# KiCad board AICORS_PCB.kicad_pcb (continued)
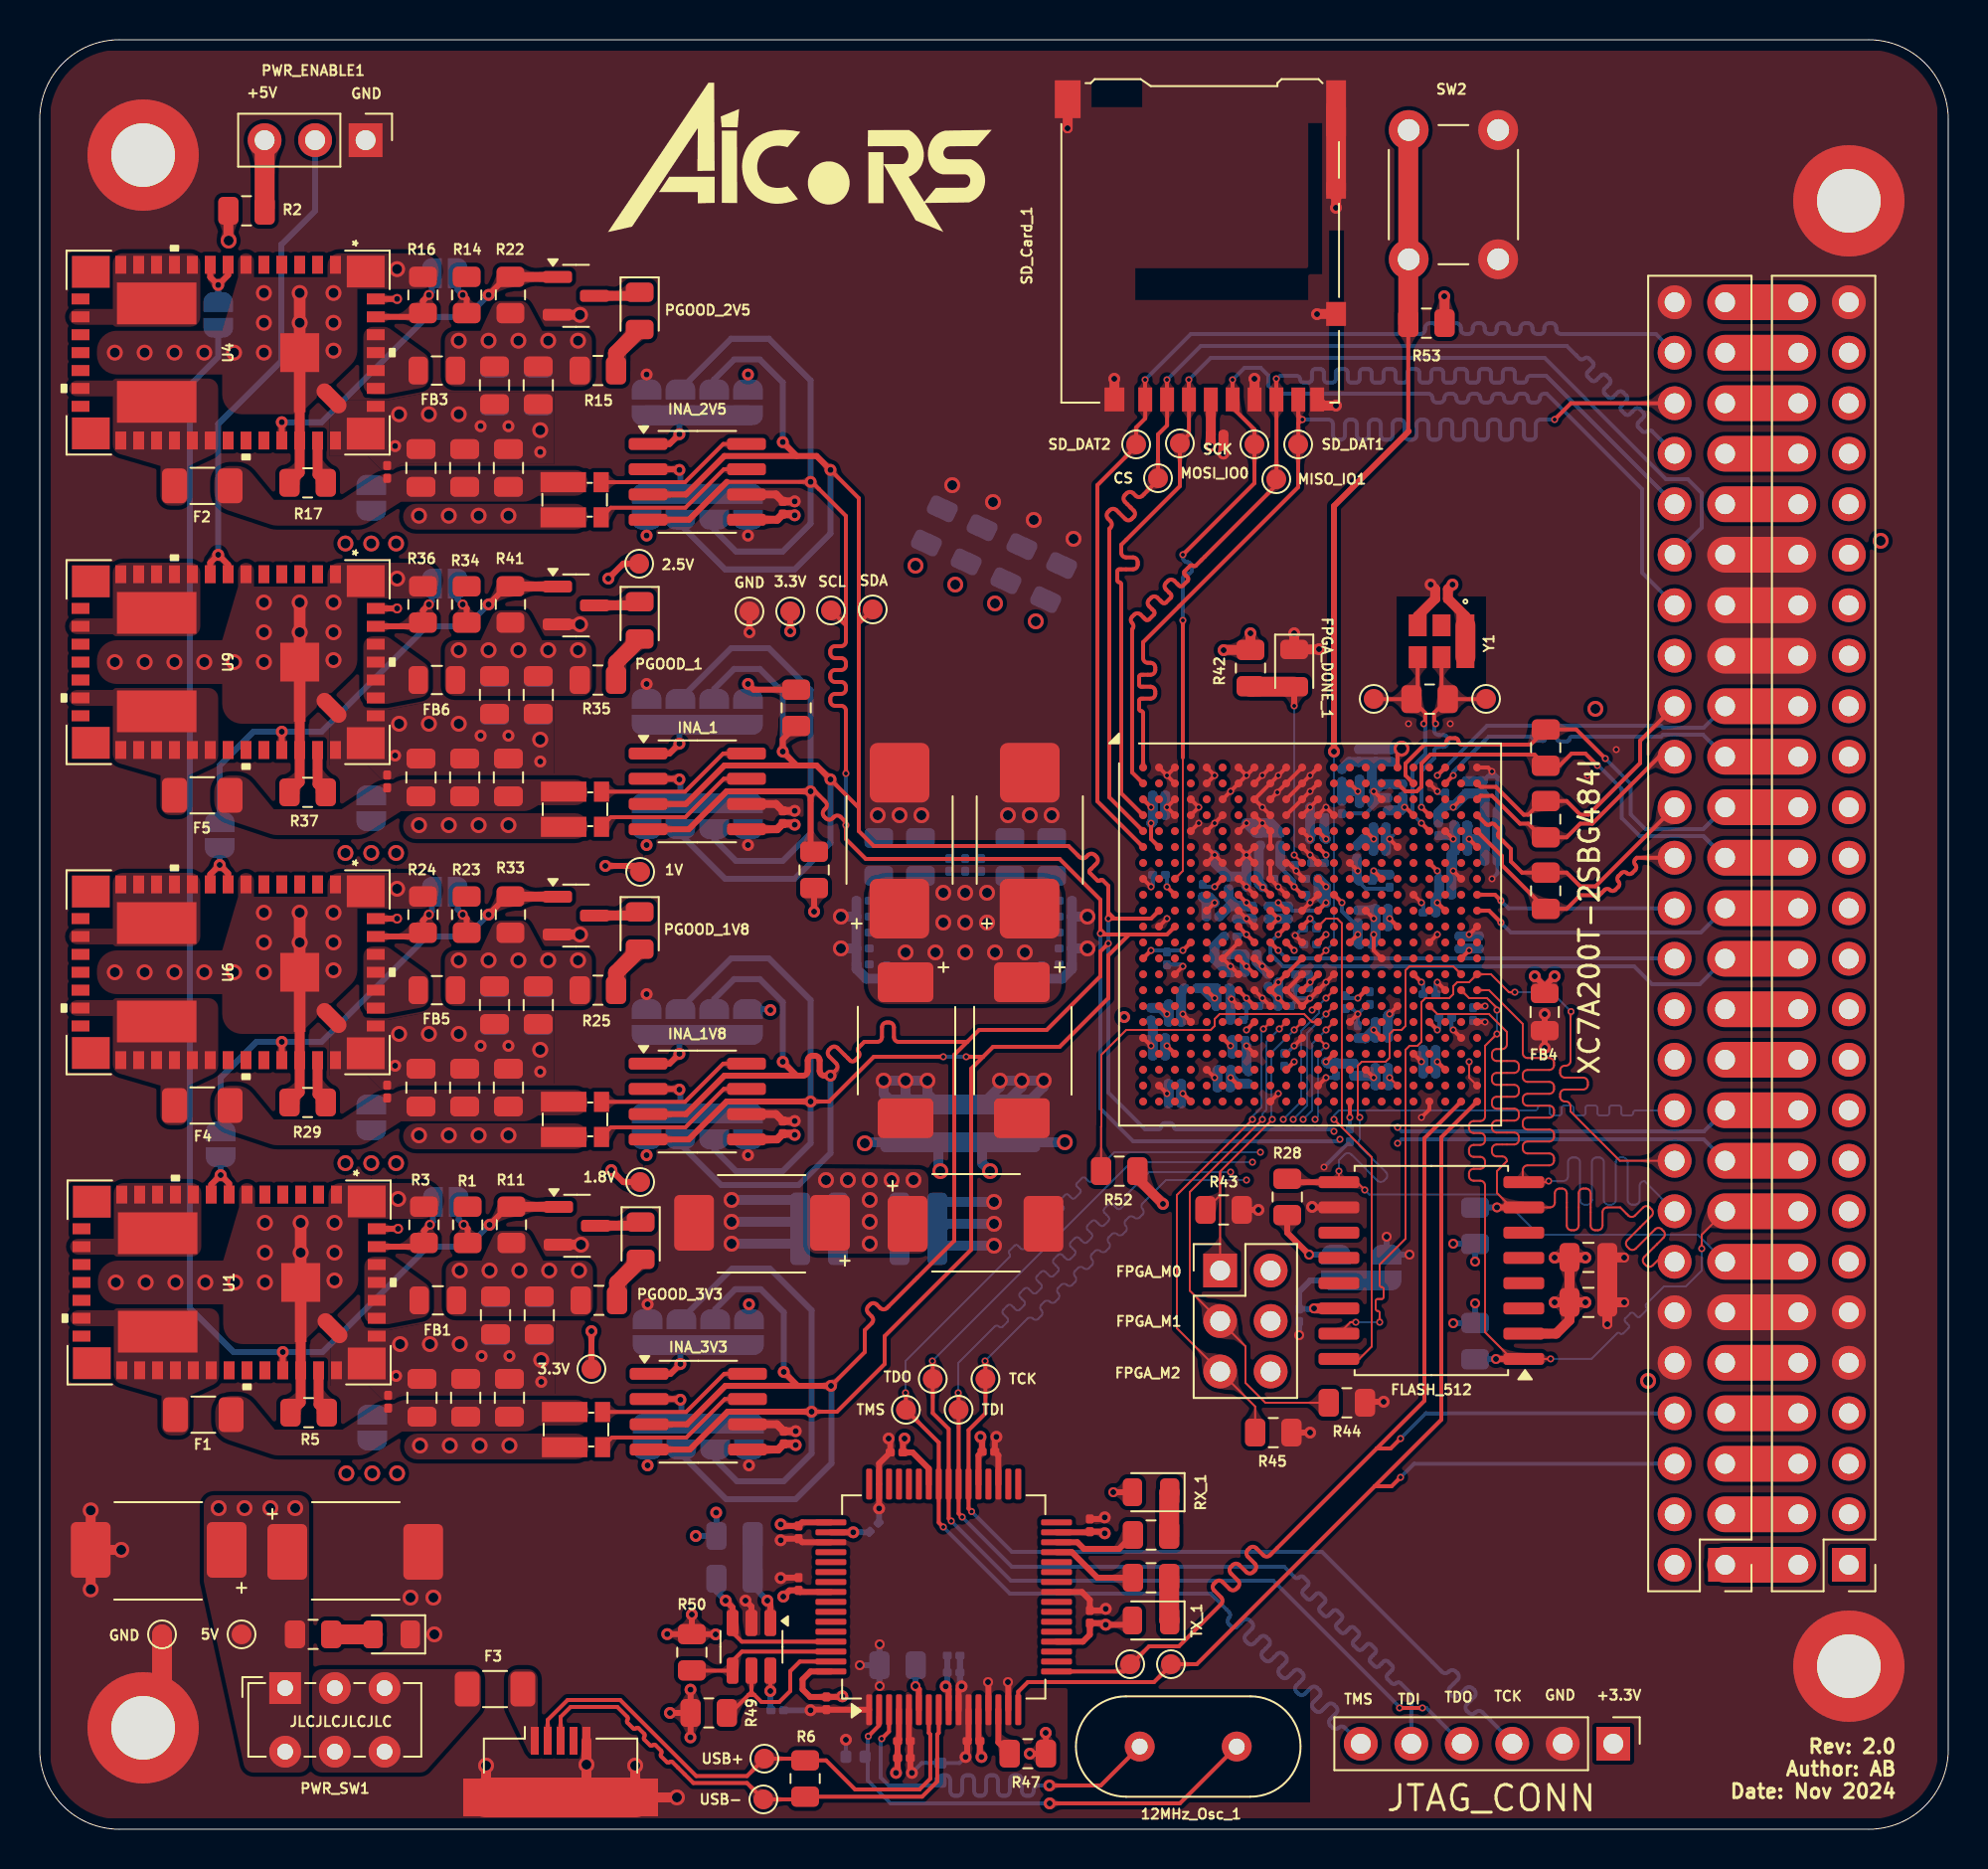
[diagram p0: board, top side]
## Placement (name value [footprint] x y rotation side) (continued)
R43  1k  [R_0805_2012Metric]  59.55 31.15 180 top
R44  1k  [R_0805_2012Metric]  65.75 21.45 180 top
R45  1k  [R_0805_2012Metric]  62.05 19.95 180 top
R46  12k  [R_0805_2012Metric]  43.15 8.25 0 bottom
R47  1k  [R_0805_2012Metric]  49.7 3.8 0 top
R48  10k  [R_0805_2012Metric]  34.95 14.75 0 bottom
R49  10k  [R_0805_2012Metric]  33.65 5.85 0 top
R50  10k  [R_0805_2012Metric]  32.8 8.9 270 top
R52  4.7k  [R_0805_2012Metric]  54.3 33.1 180 top
R53  4.7k  [R_0805_2012Metric]  69.75 75.75 180 top
R54  2K  [R_0805_2012Metric]  34.95 12.6 180 bottom
R_RX1  200  [R_0805_2012Metric]  55.9 14.8 180 top
R_TX1  200  [R_0805_2012Metric]  55.9 12.65 180 top
RX_1  GREEN_LED  [LED_0805_2012Metric]  55.9 16.95 180 top
SCK_D_R1  100  [R_0805_2012Metric]  75.75 54.4 270 top
SCL_UP_1  3.3k  [R_0805_2012Metric]  38.95 48.25 270 top
SD_Card_1  DM3AT-SF-PEJM5  [microSD_HC_Hirose_DM3AT-SF-PEJM5]  58.38 79.64 180 top
SDA_UP_1  3.3k  [R_0805_2012Metric]  38.05 56.4 90 top
SW2  Push_SW  [SW_PUSH_6mm_H4.3mm]  68.86 78.96 90 top
TP2  CLK-  [TestPoint_Pad_D1.0mm]  72.75 56.85 0 top  (not fitted)
TP3  CLK+  [TestPoint_Pad_D1.0mm]  67.1 56.85 0 top  (not fitted)
TP5  5V  [TestPoint_Pad_D1.0mm]  10.15 9.8 180 top  (not fitted)
TP6  USB-  [TestPoint_Pad_D1.0mm]  36.4 1.5 270 top  (not fitted)
TP7  USB+  [TestPoint_Pad_D1.0mm]  36.45 3.55 270 top  (not fitted)
TP8  GND  [TestPoint_Pad_D1.0mm]  6.15 9.8 180 top  (not fitted)
TP18  SD_DAT1  [TestPoint_Pad_D1.0mm]  63.3 69.65 270 top  (not fitted)
TP19  3.3V  [TestPoint_Pad_D1.0mm]  37.75 61.25 180 top  (not fitted)
TP20  SD_DAT2  [TestPoint_Pad_D1.0mm]  55.15 69.65 270 top  (not fitted)
TP21  SCK  [TestPoint_Pad_D1.0mm]  61.1 69.65 270 top  (not fitted)
TP22  SDA  [TestPoint_Pad_D1.0mm]  41.9 61.35 0 top  (not fitted)
TP24  MOSI_IO0  [TestPoint_Pad_D1.0mm]  57.35 69.7 270 top  (not fitted)
TP25  SCL  [TestPoint_Pad_D1.0mm]  39.8 61.3 0 top  (not fitted)
TP27  MISO_IO1  [TestPoint_Pad_D1.0mm]  62.2 67.9 270 top  (not fitted)
TP28  GND  [TestPoint_Pad_D1.0mm]  35.7 61.25 180 top  (not fitted)
TP30  CS  [TestPoint_Pad_D1.0mm]  56.25 67.95 270 top  (not fitted)
TP34  TX_1  [TestPoint_Pad_D1.0mm]  56.9 8.3 180 top  (not fitted)
TP35  RX_1  [TestPoint_Pad_D1.0mm]  54.85 8.3 180 top  (not fitted)
TP43  TMS  [TestPoint_Pad_D1.0mm]  43.57 21.1 270 top  (not fitted)
TP44  TDI  [TestPoint_Pad_D1.0mm]  46.22 21.1 270 top  (not fitted)
TP45  TDO  [TestPoint_Pad_D1.0mm]  44.92 22.65 270 top  (not fitted)
TP46  TCK  [TestPoint_Pad_D1.0mm]  47.57 22.65 270 top  (not fitted)
TX_1  GREEN_LED  [LED_0805_2012Metric]  55.9 10.5 180 top
U1  TPS84320RUQR  [TPS84320]  9.53 27.5 270 top
U3  XC7A200T-2SBG484I  [Xilinx_SBG484]  63.9 45 0 top
U4  TPS84320RUQR  [TPS84320]  9.48 74.27 270 top
U6  TPS84320RUQR  [TPS84320]  9.48 43.1 270 top
U9  TPS84320RUQR  [TPS84320]  9.48 58.7 270 top
U12  FT2232HL  [LQFP-64_10x10mm_P0.5mm]  45.47 11.69 90 top
Y1  AX3DAF1-100.0000T  [XTAL_AX3DAF1-100.0000T]  70.51 59.75 270 top

## Library data of the parts
12MHz_Osc_1 = -: Description: Two pin crystal; LCSC Part #: C6547890; ki_fp_filters: Crystal*
A0_1-A0_4 A1_1-A1_4 = -: Description: Rotary switch 1x4, SP4T with mount point
C1 C2 C84 C85 C121 C122 = -: Description: 10TPC100M; LCSC Part #: C147766; ki_fp_filters: CP_*
C3 C4 = -: Description: 4TPF680MZH; LCSC Part #: C542607; ki_fp_filters: CP_*
C5-C10 C16-C29 C88-C94 C106-C116 C139-C150 C167-C178 C225 C227 C229 = -: Description: GRM033R60J475ME05D; LCSC Part #: C3863497; ki_fp_filters: C_*
C11-C14 C31-C33 C48 C49 C67-C69 C118-C120 C135 C136 C152-C154 C179-C190 C192-C196 C200-C202 C206-C210 C214-C216 C233 = -: Description: GRM21BR61A476ME15L; LCSC Part #: C124129; ki_fp_filters: C_*
C15 C30 C66 C117 C151 C191 C199 C203-C205 C213 C217-C224 C226 C228 C231 = -: Description: GRM033R60J104KE19J; LCSC Part #: C913501; ki_fp_filters: C_*
C50 C51 C137 C138 C197 C198 C211 C212 C234 = -: Description: GRM21BC81C226ME44L; LCSC Part #: C258782; ki_fp_filters: C_*
C52-C65 C86 C87 C95-C105 C123-C134 C155-C166 = -: Description: GRM033R60J474ME90D; LCSC Part #: C88915; ki_fp_filters: C_*
C230 C232 = -: Description: GRM1555C1H180JA01D; LCSC Part #: C33149; ki_fp_filters: C_*
CLK_D_R1 CS_D_R1 MOSI_D_R1 R6 SCK_D_R1 = -: Description: RC0805FR-07100RL; LCSC Part #: C105577; ki_fp_filters: R_*
D3 FPGA_DONE_1 PGOOD_1 PGOOD_1V8 PGOOD_2V5 PGOOD_3V3 RX_1 TX_1 = -: Description: 150080VS75000; LCSC Part #: C98224; ki_fp_filters: LED* LED_SMD:* LED_THT:*
EEPROM_1 = -: Datasheet: http://ww1.microchip.com/downloads/en/DeviceDoc/20001749K.pdf; Description: Serial EEPROM, 93 Series, 5.0V, DIP-8/SOIC-8; LCSC Part #: C190271
F1-F5 = -: Description: Fuse; LCSC Part #: C187596; ki_fp_filters: *Fuse*
FB1 FB3-FB6 = -: LCSC Part #: C15957; ki_fp_filters: Inductor_* L_* *Ferrite*
FLASH_512 = -: LCSC Part #: C2948626
H1-H4 = -: Description: Mounting Hole without connection; ki_fp_filters: MountingHole*Pad*
INA_1 INA_1V8 INA_2V5 INA_3V3 = -: Datasheet: http://www.ti.com/lit/ds/symlink/ina219.pdf; Description: Zero-Drift, HighAccuracy, Bidirectional Current/Power Monitor (0-26V) With I2C Interface, SOIC-8; LCSC Part #: C2859699; ki_fp_filters: SOIC*3.9x4.9mm*P1.27mm*
J4 = -: LCSC Part #: C2931352; ki_fp_filters: USB*
J10 = -: LCSC Part #: C7466599; ki_fp_filters: Connector*:*_2x??_*
J13 = -: Datasheet: JTAG_CONN; Description: Generic connector, single row, 01x06, script generated (kicad-library-utils/schlib/autogen/connector/); LCSC Part #: C3328125; ki_fp_filters: Connector*:*_1x??_*
J14 = -: Description: ESQ-126-39-G-D; ki_fp_filters: Connector*:*_2x??_*
JP1-JP8 JP10-JP14 = -: Description: Solder Jumper, 2-pole, open; ki_fp_filters: SolderJumper*Open*
MODE_1 = -: Description: 3x DIP Switch, Single Pole Single Throw (SPST) switch, small symbol; LCSC Part #: C6339671
NT1 NT3 NT5 NT6 = -: Description: Net tie, 2 pins; ki_fp_filters: Net*Tie*
PWR_1 PWR_1V1 PWR_2V1 PWR_3V1 TP2 TP3 TP5-TP8 TP18-TP22 TP24 TP25 TP27 TP28 TP30 TP34 TP35 TP43-TP46 = -: Description: test point; ki_fp_filters: Pin* Test*
PWR_ENABLE1 = -: Description: Generic connector, single row, 01x03, script generated (kicad-library-utils/schlib/autogen/connector/); LCSC Part #: C3335811; ki_fp_filters: Connector*:*_1x??_*
PWR_SW1 = -: LCSC Part #: C273396
Q1-Q4 = -: Datasheet: http://www.diodes.com/assets/Datasheets/ds31898.pdf; Description: 0.5A Id, 50V Vds, N-Channel MOSFET, SOT-23; LCSC Part #: C20069151; ki_fp_filters: SOT?23*
R1 R14 R23 R34 = -: Description: Resistor; ki_fp_filters: R_*
R2 R11 R22 R33 R41 R48-R50 = -: Description: RC0805FR-0710KL; LCSC Part #: C84376; ki_fp_filters: R_*
R3 = -: Description: RC0805FR-07330RL; LCSC Part #: C105878; ki_fp_filters: R_*
R4 R15 R18 R25 R35 R42 R_RX1 R_TX1 = -: Description: RC0805FR-07200RL; LCSC Part #: C114567; ki_fp_filters: R_*
R5 = -: Description: CR0805-FX-1583ELF; LCSC Part #: C203773; ki_fp_filters: R_*
R9 R21 R32 R40 = -: Description: WSKW06123L000FEA; LCSC Part #: C1517434; ki_fp_filters: R_*Shunt*
R16 = -: Description: RC0805FR-07665RL; LCSC Part #: C273828; ki_fp_filters: R_*
R17 R29 = -: Description: RT0805BRD07324KL; LCSC Part #: C865403; ki_fp_filters: R_*
R24 = -: Description: RC0805FR-071K13L; LCSC Part #: C273876; ki_fp_filters: R_*
R26-R28 R52 R53 = -: Description: RC0805FR-074K7L; LCSC Part #: C60816; ki_fp_filters: R_*
R36 = -: Description: RC0805FR-075K76L; LCSC Part #: C483177; ki_fp_filters: R_*
R37 = -: Description: AC0805FR-07261KL; ki_fp_filters: R_*
R43-R45 R47 = -: Description: RC0805FR-071KL; LCSC Part #: C95781; ki_fp_filters: R_*
R46 = -: Description: RC0805FR-0712KL; LCSC Part #: C114556; ki_fp_filters: R_*
R54 = -: Description: RC0805FR-072KL; LCSC Part #: C114572; ki_fp_filters: R_*
SCL_UP_1 SDA_UP_1 = -: Description: AC0805FR-073K3L; LCSC Part #: C144562; ki_fp_filters: R_*
SD_Card_1 = -: Datasheet: https://www.hirose.com/product/en/download_file/key_name/DM3/category/Catalog/doc_file_id/49662/?file_category_id=4&item_id=195&is_series=1; Description: Micro SD Card Socket with card detection pins; LCSC Part #: C114218; ki_fp_filters: microSD*
SW2 = -: Description: TS02-66-60-BK-100-SCR-D; LCSC Part #: C455095
U1 U4 U6 U9 = -: LCSC Part #: C181319; ki_fp_filters: RUQ_47
U3 = -: Description: Artix 7 T 200 XC7A200T-SBG484; LCSC Part #: C1521826
U12 = -: Datasheet: https://www.ftdichip.com/Support/Documents/DataSheets/ICs/DS_FT2232H.pdf; Description: Hi Speed Double Channel USB UART/FIFO, LQFP-64; LCSC Part #: C27882; ki_fp_filters: LQFP*10x10mm*P0.5mm*
Y1 = -: PARTREV: 02-08-22; STANDARD: Manufacturer Recommendations; MAXIMUM_PACKAGE_HEIGHT: 1.10mm; MANUFACTURER: Abracon; LCSC Part #: C2002827

## Footprints (pads in the part's own frame, mm; a bottom-side part is the same pattern mirrored in y, then rotated)
1-to-4 SolderJumper
  custom 1.5x1 smd: 1(-2.55,0.65) 2(-0.85,0.65) 3(0.85,0.65) 4(2.55,0.65) 5(-2.55,-0.65) 5(-0.85,-0.65) 5(0.85,-0.65) 5(2.55,-0.65)
C_0201_0603Metric
  rrect 0.318x0.36 smd: (-0.345,0) (0.345,0)
  rrect 0.46x0.4 smd: 1(-0.32,0) 2(0.32,0)
C_0402_1005Metric
  rrect 0.56x0.62 smd: 1(-0.48,0) 2(0.48,0)
C_0805_2012Metric
  rrect 1x1.45 smd: 1(-0.95,0) 2(0.95,0)
Crystal_HC49-U_Vertical
  round 1.5 hole 0.8: 1(0,0) 2(4.88,0)
Fuse_0805_2012Metric
  rrect 0.975x1.4 smd: 1(-0.938,0) 2(0.938,0)
Fuse_1206_3216Metric
  rrect 1.25x1.75 smd: 1(-1.4,0) 2(1.4,0)
LED_0805_2012Metric
  rrect 0.975x1.4 smd: 1(-0.938,0) 2(0.938,0)
LQFP-64_10x10mm_P0.5mm
  rrect 1.55x0.3 smd: 1(-5.675,3.75) 2(-5.675,3.25) 3(-5.675,2.75) 4(-5.675,2.25) 5(-5.675,1.75) 6(-5.675,1.25) 7(-5.675,0.75) 8(-5.675,0.25) 9(-5.675,-0.25) 10(-5.675,-0.75) 11(-5.675,-1.25) 12(-5.675,-1.75) 13(-5.675,-2.25) 14(-5.675,-2.75) 15(-5.675,-3.25) 16(-5.675,-3.75) 33(5.675,-3.75) 34(5.675,-3.25) 35(5.675,-2.75) 36(5.675,-2.25) 37(5.675,-1.75) 38(5.675,-1.25) 39(5.675,-0.75) 40(5.675,-0.25) 41(5.675,0.25) 42(5.675,0.75) 43(5.675,1.25) 44(5.675,1.75) 45(5.675,2.25) 46(5.675,2.75) 47(5.675,3.25) 48(5.675,3.75)
  rrect 0.3x1.55 smd: 17(-3.75,-5.675) 18(-3.25,-5.675) 19(-2.75,-5.675) 20(-2.25,-5.675) 21(-1.75,-5.675) 22(-1.25,-5.675) 23(-0.75,-5.675) 24(-0.25,-5.675) 25(0.25,-5.675) 26(0.75,-5.675) 27(1.25,-5.675) 28(1.75,-5.675) 29(2.25,-5.675) 30(2.75,-5.675) 31(3.25,-5.675) 32(3.75,-5.675) 49(3.75,5.675) 50(3.25,5.675) 51(2.75,5.675) 52(2.25,5.675) 53(1.75,5.675) 54(1.25,5.675) 55(0.75,5.675) 56(0.25,5.675) 57(-0.25,5.675) 58(-0.75,5.675) 59(-1.25,5.675) 60(-1.75,5.675) 61(-2.25,5.675) 62(-2.75,5.675) 63(-3.25,5.675) 64(-3.75,5.675)
microSD_HC_Hirose_DM3AT-SF-PEJM5
  rect 0.7x1.2 smd: 1(2.775,7.725) 2(1.675,7.725) 3(0.575,7.725) 4(-0.525,7.725) 5(-1.625,7.725) 6(-2.725,7.725) 7(-3.825,7.725) 8(-4.925,7.725) 9(-5.875,7.725)
  rect 1x0.8 smd: 10(-6.825,-2.775)
  rect 1x1.2 smd: 11(-6.825,3.425) 11(4.325,7.725)
  rect 1x2.8 smd: 11(-6.825,-6.925)
  rect 1.3x1.9 smd: 11(6.675,-7.375)
MountingHole_3.2mm_M3_DIN965_Pad_TopBottom
  round 3.6 hole 3.2: 1(0,0)
  round 5.6 smd: 1(0,0)
  round 5.6 smd far side: 1(0,0)
Net_tie_1mm
  round 0.8 smd: 1(-0.5,0) 2(0.5,0)
Panasonic_D2 Tantalum Capacitor
  rrect 2x2.8 smd: 1(-3.45,-0.05) 2(3.388,-0.05)
Panasonic_D4 Tantalum Capacitor
  rrect 3x3 smd: 1(-3.5,0.01) 2(3.337,0)
PinHeader_1x03_P2.54mm_Vertical
  rect 1.7x1.7 hole 1: 1(0,0)
  oval 1.7x1.7 hole 1: 2(0,-2.54) 3(0,-5.08)
PinHeader_1x06_P2.54mm_Vertical
  rect 1.7x1.7 hole 1: 1(0,0)
  oval 1.7x1.7 hole 1: 2(0,-2.54) 3(0,-5.08) 4(0,-7.62) 5(0,-10.16) 6(0,-12.7)
PinHeader_2x03_P2.54mm_Vertical
  rect 1.7x1.7 hole 1: 1(0,0)
  oval 1.7x1.7 hole 1: 2(2.54,0) 3(0,-2.54) 4(2.54,-2.54) 5(0,-5.08) 6(2.54,-5.08)
PinHeader_2x26_P2.54mm_Vertical
  rect 1.7x1.7 hole 1: 1(0,0)
  oval 1.7x1.7 hole 1: 2(2.54,0) 3(0,-2.54) 4(2.54,-2.54) 5(0,-5.08) 6(2.54,-5.08) 7(0,-7.62) 8(2.54,-7.62) 9(0,-10.16) 10(2.54,-10.16) 11(0,-12.7) 12(2.54,-12.7) 13(0,-15.24) 14(2.54,-15.24) 15(0,-17.78) 16(2.54,-17.78) 17(0,-20.32) 18(2.54,-20.32) 19(0,-22.86) 20(2.54,-22.86) 21(0,-25.4) 22(2.54,-25.4) 23(0,-27.94) 24(2.54,-27.94) 25(0,-30.48) 26(2.54,-30.48) 27(0,-33.02) 28(2.54,-33.02) 29(0,-35.56) 30(2.54,-35.56) 31(0,-38.1) 32(2.54,-38.1) 33(0,-40.64) 34(2.54,-40.64) 35(0,-43.18) 36(2.54,-43.18) 37(0,-45.72) 38(2.54,-45.72) 39(0,-48.26) 40(2.54,-48.26) 41(0,-50.8) 42(2.54,-50.8) 43(0,-53.34) 44(2.54,-53.34) 45(0,-55.88) 46(2.54,-55.88) 47(0,-58.42) 48(2.54,-58.42) 49(0,-60.96) 50(2.54,-60.96) 51(0,-63.5) 52(2.54,-63.5)
R_0805_2012Metric
  rrect 1.025x1.4 smd: 1(-0.912,0) 2(0.912,0)
R_Shunt_Vishay_WSKW0612
  rect 2.287x1.01 smd: 1(-0.572,0.885) 4(-0.572,-0.885)
  rect 0.762x1.01 smd: 2(1.334,0.885) 3(1.334,-0.885)
SOIC-8_3.9x4.9mm_P1.27mm
  rrect 1.95x0.6 smd: 1(-2.475,1.905) 2(-2.475,0.635) 3(-2.475,-0.635) 4(-2.475,-1.905) 5(2.475,-1.905) 6(2.475,-0.635) 7(2.475,0.635) 8(2.475,1.905)
SOIC-16W_7.5x10.3mm_P1.27mm
  rrect 2.05x0.6 smd: 1(-4.65,4.445) 2(-4.65,3.175) 3(-4.65,1.905) 4(-4.65,0.635) 5(-4.65,-0.635) 6(-4.65,-1.905) 7(-4.65,-3.175) 8(-4.65,-4.445) 9(4.65,-4.445) 10(4.65,-3.175) 11(4.65,-1.905) 12(4.65,-0.635) 13(4.65,0.635) 14(4.65,1.905) 15(4.65,3.175) 16(4.65,4.445)
SolderJumper-2_P1.3mm_Open_RoundedPad1.0x1.5mm
  custom 1x1.5 smd: 1(-0.65,0) 2(0.65,0)
SOT-23
  rrect 1.475x0.6 smd: 1(-0.938,0.95) 2(-0.938,-0.95) 3(0.938,0)
SOT-23-6
  rrect 1.325x0.6 smd: 1(-1.2,0.95) 2(-1.2,0) 3(-1.2,-0.95) 4(1.2,-0.95) 5(1.2,0) 6(1.2,0.95)
SW_E-Switch_EG1271_SPDT
  rect 1.6x1.6 hole 0.8: 1(0,0)
  round 1.6 hole 0.8: 2(2.5,0) 3(5,0) 4(0,-3.2) 5(2.5,-3.2) 6(5,-3.2)
SW_PUSH_6mm_H4.3mm
  round 2 hole 1.1: 1(0,0) 1(6.5,0) 2(0,-4.5) 2(6.5,-4.5)
TestPoint_Pad_D1.0mm
  round 1 smd: 1(0,0)
TPS84320
  rect 1.6x1.9 smd: 1(-4.077,6.92) 15(-4.062,-6.906) 23(4.06,-6.906) 37(4.074,6.92)
  rect 0.9x0.55 smd: 2(-4.42,5.4) 3(-4.42,4.5) 4(-4.42,3.6) 5(-4.42,2.7) 6(-4.42,1.8) 7(-4.42,0.9) 8(-4.42,0) 9(-4.42,-0.9) 10(-4.42,-1.8) 11(-4.42,-2.7) 12(-4.42,-3.6) 13(-4.42,-4.5) 14(-4.42,-5.4) 24(4.42,-5.4) 25(4.42,-4.5) 26(4.42,-3.6) 27(4.42,-2.7) 28(4.42,-1.8) 29(4.42,-0.9) 30(4.42,0) 31(4.42,0.9) 32(4.42,1.8) 33(4.42,2.7) 34(4.42,3.6) 35(4.42,4.5) 36(4.42,5.4)
  rect 0.55x0.9 smd: 16(-2.7,-7.425) 17(-1.8,-7.425) 18(-0.9,-7.425) 19(0,-7.425) 20(0.9,-7.425) 21(1.8,-7.425) 22(2.7,-7.425) 38(2.7,7.425) 39(1.8,7.425) 40(0.9,7.425) 41(0,7.425) 42(-0.9,7.425) 43(-1.8,7.425) 44(-2.7,7.425)
  rect 1.954x1.96 smd: 45(0,3.602)
  rect 6x0.583 smd: 45(0,3.6)
  rect 2.1x4 smd: 46(-2.475,-3.595) 47(2.475,-3.593)
USB_Micro-B_Amphenol_10104110_Horizontal
  rect 0.4x1.4 smd: 1(-1.3,1.55) 2(-0.65,1.55) 3(0,1.55) 4(0.65,1.55) 5(1.3,1.55)
  rect 2.3x1.9 smd: 6(-3.75,-1.3) 6(3.75,-1.3)
  rect 1.8x1.9 smd: 6(-1.15,-1.3) 6(1.15,-1.3)
Xilinx_SBG484
  round 0.4 smd: A1(-8.4,8.4) A2(-7.6,8.4) A3(-6.8,8.4) A4(-6,8.4) A5(-5.2,8.4) A6(-4.4,8.4) A7(-3.6,8.4) A8(-2.8,8.4) A9(-2,8.4) A10(-1.2,8.4) A11(-0.4,8.4) A12(0.4,8.4) A13(1.2,8.4) A14(2,8.4) A15(2.8,8.4) A16(3.6,8.4) A17(4.4,8.4) A18(5.2,8.4) A19(6,8.4) A20(6.8,8.4) A21(7.6,8.4) A22(8.4,8.4) AA1(-8.4,-7.6) AA2(-7.6,-7.6) AA3(-6.8,-7.6) AA4(-6,-7.6) AA5(-5.2,-7.6) AA6(-4.4,-7.6) AA7(-3.6,-7.6) AA8(-2.8,-7.6) AA9(-2,-7.6) AA10(-1.2,-7.6) AA11(-0.4,-7.6) AA12(0.4,-7.6) AA13(1.2,-7.6) AA14(2,-7.6) AA15(2.8,-7.6) AA16(3.6,-7.6) AA17(4.4,-7.6) AA18(5.2,-7.6) AA19(6,-7.6) AA20(6.8,-7.6) AA21(7.6,-7.6) AA22(8.4,-7.6) AB1(-8.4,-8.4) AB2(-7.6,-8.4) AB3(-6.8,-8.4) AB4(-6,-8.4) AB5(-5.2,-8.4) AB6(-4.4,-8.4) AB7(-3.6,-8.4) AB8(-2.8,-8.4) AB9(-2,-8.4) AB10(-1.2,-8.4) AB11(-0.4,-8.4) AB12(0.4,-8.4) AB13(1.2,-8.4) AB14(2,-8.4) AB15(2.8,-8.4) AB16(3.6,-8.4) AB17(4.4,-8.4) AB18(5.2,-8.4) AB19(6,-8.4) AB20(6.8,-8.4) AB21(7.6,-8.4) AB22(8.4,-8.4) B1(-8.4,7.6) B2(-7.6,7.6) B3(-6.8,7.6) B4(-6,7.6) B5(-5.2,7.6) B6(-4.4,7.6) B7(-3.6,7.6) B8(-2.8,7.6) B9(-2,7.6) B10(-1.2,7.6) B11(-0.4,7.6) B12(0.4,7.6) B13(1.2,7.6) B14(2,7.6) B15(2.8,7.6) B16(3.6,7.6) B17(4.4,7.6) B18(5.2,7.6) B19(6,7.6) B20(6.8,7.6) B21(7.6,7.6) B22(8.4,7.6) C1(-8.4,6.8) C2(-7.6,6.8) C3(-6.8,6.8) C4(-6,6.8) C5(-5.2,6.8) C6(-4.4,6.8) C7(-3.6,6.8) C8(-2.8,6.8) C9(-2,6.8) C10(-1.2,6.8) C11(-0.4,6.8) C12(0.4,6.8) C13(1.2,6.8) C14(2,6.8) C15(2.8,6.8) C16(3.6,6.8) C17(4.4,6.8) C18(5.2,6.8) C19(6,6.8) C20(6.8,6.8) C21(7.6,6.8) C22(8.4,6.8) D1(-8.4,6) D2(-7.6,6) D3(-6.8,6) D4(-6,6) D5(-5.2,6) D6(-4.4,6) D7(-3.6,6) D8(-2.8,6) D9(-2,6) D10(-1.2,6) D11(-0.4,6) D12(0.4,6) D13(1.2,6) D14(2,6) D15(2.8,6) D16(3.6,6) D17(4.4,6) D18(5.2,6) D19(6,6) D20(6.8,6) D21(7.6,6) D22(8.4,6) E1(-8.4,5.2) E2(-7.6,5.2) E3(-6.8,5.2) E4(-6,5.2) E5(-5.2,5.2) E6(-4.4,5.2) E7(-3.6,5.2) E8(-2.8,5.2) E9(-2,5.2) E10(-1.2,5.2) E11(-0.4,5.2) E12(0.4,5.2) E13(1.2,5.2) E14(2,5.2) E15(2.8,5.2) E16(3.6,5.2) E17(4.4,5.2) E18(5.2,5.2) E19(6,5.2) E20(6.8,5.2) E21(7.6,5.2) E22(8.4,5.2) F1(-8.4,4.4) F2(-7.6,4.4) F3(-6.8,4.4) F4(-6,4.4) F5(-5.2,4.4) F6(-4.4,4.4) F7(-3.6,4.4) F8(-2.8,4.4) F9(-2,4.4) F10(-1.2,4.4) F11(-0.4,4.4) F12(0.4,4.4) F13(1.2,4.4) F14(2,4.4) F15(2.8,4.4) F16(3.6,4.4) F17(4.4,4.4) F18(5.2,4.4) F19(6,4.4) F20(6.8,4.4) F21(7.6,4.4) F22(8.4,4.4) G1(-8.4,3.6) G2(-7.6,3.6) G3(-6.8,3.6) G4(-6,3.6) G5(-5.2,3.6) G6(-4.4,3.6) G7(-3.6,3.6) G8(-2.8,3.6) G9(-2,3.6) G10(-1.2,3.6) G11(-0.4,3.6) G12(0.4,3.6) G13(1.2,3.6) G14(2,3.6) G15(2.8,3.6) G16(3.6,3.6) G17(4.4,3.6) G18(5.2,3.6) G19(6,3.6) G20(6.8,3.6) G21(7.6,3.6) G22(8.4,3.6) H1(-8.4,2.8) H2(-7.6,2.8) H3(-6.8,2.8) H4(-6,2.8) H5(-5.2,2.8) H6(-4.4,2.8) H7(-3.6,2.8) H8(-2.8,2.8) H9(-2,2.8) H10(-1.2,2.8) H11(-0.4,2.8) H12(0.4,2.8) H13(1.2,2.8) H14(2,2.8) H15(2.8,2.8) H16(3.6,2.8) H17(4.4,2.8) H18(5.2,2.8) H19(6,2.8) H20(6.8,2.8) H21(7.6,2.8) H22(8.4,2.8) J1(-8.4,2) J2(-7.6,2) J3(-6.8,2) J4(-6,2) J5(-5.2,2) J6(-4.4,2) J7(-3.6,2) J8(-2.8,2) J9(-2,2) J10(-1.2,2) J11(-0.4,2) J12(0.4,2) J13(1.2,2) J14(2,2) J15(2.8,2) J16(3.6,2) J17(4.4,2) J18(5.2,2) J19(6,2) J20(6.8,2) J21(7.6,2) J22(8.4,2) K1(-8.4,1.2) K2(-7.6,1.2) K3(-6.8,1.2) K4(-6,1.2) K5(-5.2,1.2) K6(-4.4,1.2) K7(-3.6,1.2) K8(-2.8,1.2) K9(-2,1.2) K10(-1.2,1.2) K11(-0.4,1.2) K12(0.4,1.2) K13(1.2,1.2) K14(2,1.2) K15(2.8,1.2) K16(3.6,1.2) K17(4.4,1.2) K18(5.2,1.2) K19(6,1.2) K20(6.8,1.2) K21(7.6,1.2) K22(8.4,1.2) L1(-8.4,0.4) L2(-7.6,0.4) L3(-6.8,0.4) L4(-6,0.4) L5(-5.2,0.4) L6(-4.4,0.4) L7(-3.6,0.4) L8(-2.8,0.4) L9(-2,0.4) L10(-1.2,0.4) L11(-0.4,0.4) L12(0.4,0.4) L13(1.2,0.4) L14(2,0.4) L15(2.8,0.4) L16(3.6,0.4) L17(4.4,0.4) L18(5.2,0.4) L19(6,0.4) L20(6.8,0.4) L21(7.6,0.4) L22(8.4,0.4) M1(-8.4,-0.4) M2(-7.6,-0.4) M3(-6.8,-0.4) M4(-6,-0.4) M5(-5.2,-0.4) M6(-4.4,-0.4) M7(-3.6,-0.4) M8(-2.8,-0.4) M9(-2,-0.4) M10(-1.2,-0.4) M11(-0.4,-0.4) M12(0.4,-0.4) M13(1.2,-0.4) M14(2,-0.4) M15(2.8,-0.4) M16(3.6,-0.4) M17(4.4,-0.4) M18(5.2,-0.4) M19(6,-0.4) M20(6.8,-0.4) M21(7.6,-0.4) M22(8.4,-0.4) N1(-8.4,-1.2) N2(-7.6,-1.2) N3(-6.8,-1.2) N4(-6,-1.2) N5(-5.2,-1.2) N6(-4.4,-1.2) N7(-3.6,-1.2) N8(-2.8,-1.2) N9(-2,-1.2) N10(-1.2,-1.2) N11(-0.4,-1.2) N12(0.4,-1.2) N13(1.2,-1.2) N14(2,-1.2) N15(2.8,-1.2) N16(3.6,-1.2) N17(4.4,-1.2) N18(5.2,-1.2) N19(6,-1.2) N20(6.8,-1.2) N21(7.6,-1.2) N22(8.4,-1.2) P1(-8.4,-2) P2(-7.6,-2) P3(-6.8,-2) P4(-6,-2) P5(-5.2,-2) P6(-4.4,-2) P7(-3.6,-2) P8(-2.8,-2) P9(-2,-2) P10(-1.2,-2) P11(-0.4,-2) P12(0.4,-2) P13(1.2,-2) P14(2,-2) P15(2.8,-2) P16(3.6,-2) P17(4.4,-2) P18(5.2,-2) P19(6,-2) P20(6.8,-2) P21(7.6,-2) P22(8.4,-2) R1(-8.4,-2.8) R2(-7.6,-2.8) R3(-6.8,-2.8) R4(-6,-2.8) R5(-5.2,-2.8) R6(-4.4,-2.8) R7(-3.6,-2.8) R8(-2.8,-2.8) R9(-2,-2.8) R10(-1.2,-2.8) R11(-0.4,-2.8) R12(0.4,-2.8) R13(1.2,-2.8) R14(2,-2.8) R15(2.8,-2.8) R16(3.6,-2.8) R17(4.4,-2.8) R18(5.2,-2.8) R19(6,-2.8) R20(6.8,-2.8) R21(7.6,-2.8) R22(8.4,-2.8) T1(-8.4,-3.6) T2(-7.6,-3.6) T3(-6.8,-3.6) T4(-6,-3.6) T5(-5.2,-3.6) T6(-4.4,-3.6) T7(-3.6,-3.6) T8(-2.8,-3.6) T9(-2,-3.6) T10(-1.2,-3.6) T11(-0.4,-3.6) T12(0.4,-3.6) T13(1.2,-3.6) T14(2,-3.6) T15(2.8,-3.6) T16(3.6,-3.6) T17(4.4,-3.6) T18(5.2,-3.6) T19(6,-3.6) T20(6.8,-3.6) T21(7.6,-3.6) T22(8.4,-3.6) U1(-8.4,-4.4) U2(-7.6,-4.4) U3(-6.8,-4.4) U4(-6,-4.4) U5(-5.2,-4.4) U6(-4.4,-4.4) U7(-3.6,-4.4) U8(-2.8,-4.4) U9(-2,-4.4) U10(-1.2,-4.4) U11(-0.4,-4.4) U12(0.4,-4.4) U13(1.2,-4.4) U14(2,-4.4) U15(2.8,-4.4) U16(3.6,-4.4) U17(4.4,-4.4) U18(5.2,-4.4) U19(6,-4.4) U20(6.8,-4.4) U21(7.6,-4.4) U22(8.4,-4.4) V1(-8.4,-5.2) V2(-7.6,-5.2) V3(-6.8,-5.2) V4(-6,-5.2) V5(-5.2,-5.2) V6(-4.4,-5.2) V7(-3.6,-5.2) V8(-2.8,-5.2) V9(-2,-5.2) V10(-1.2,-5.2) V11(-0.4,-5.2) V12(0.4,-5.2) V13(1.2,-5.2) V14(2,-5.2) V15(2.8,-5.2) V16(3.6,-5.2) V17(4.4,-5.2) V18(5.2,-5.2) V19(6,-5.2) V20(6.8,-5.2) V21(7.6,-5.2) V22(8.4,-5.2) W1(-8.4,-6) W2(-7.6,-6) W3(-6.8,-6) W4(-6,-6) W5(-5.2,-6) W6(-4.4,-6) W7(-3.6,-6) W8(-2.8,-6) W9(-2,-6) W10(-1.2,-6) W11(-0.4,-6) W12(0.4,-6) W13(1.2,-6) W14(2,-6) W15(2.8,-6) W16(3.6,-6) W17(4.4,-6) W18(5.2,-6) W19(6,-6) W20(6.8,-6) W21(7.6,-6) W22(8.4,-6) Y1(-8.4,-6.8) Y2(-7.6,-6.8) Y3(-6.8,-6.8) Y4(-6,-6.8) Y5(-5.2,-6.8) Y6(-4.4,-6.8) Y7(-3.6,-6.8) Y8(-2.8,-6.8) Y9(-2,-6.8) Y10(-1.2,-6.8) Y11(-0.4,-6.8) Y12(0.4,-6.8) Y13(1.2,-6.8) Y14(2,-6.8) Y15(2.8,-6.8) Y16(3.6,-6.8) Y17(4.4,-6.8) Y18(5.2,-6.8) Y19(6,-6.8) Y20(6.8,-6.8) Y21(7.6,-6.8) Y22(8.4,-6.8)
XTAL_AX3DAF1-100.0000T
  rect 1.1x0.9 smd: 1(-0.8,1.2) 2(-0.8,0) 3(-0.8,-1.2) 4(0.8,-1.2) 5(0.8,0) 6(0.8,1.2)

## Nets
1V8_VOLTAGE_TRIM: R23.1
1V_VOLTAGE_EN: PWR_ENABLE1.2 U9.8 U9.9
1V_VOLTAGE_TRIM: R34.1
2V5_VOLTAGE_TRIM: R14.1
3V3_VOLTAGE_TRIM: R1.1
+1.8V: C84.1 C85.1 C86.1 C87.1 C88.1 C89.1 C90.1 C91.1 C92.1 C93.1 C94.1 C155.1 C156.1 C157.1 C158.1 C159.1 C160.1 C161.1 C162.1 C163.1 C164.1 C165.1 C166.1 C167.1 C168.1 C169.1 C170.1 C171.1 C172.1 C173.1 C174.1 C175.1 C176.1 C177.1 C178.1 C179.1 C180.1 C181.1 C182.1 J10.8 J10.46 J14.7 J14.45 JP11.2 PWR_1V1.1 U3.AA7 U3.AA17 U3.AB4 U3.AB14 U3.E12 U3.H12 U3.K10 U3.K12 U3.M12 U3.P12 U3.R5 U3.R11 U3.T2 U3.V6 U3.V16 U3.W3 U3.W13 U3.Y10 U6.44
+2.5V: C95.1 C96.1 C97.1 C98.1 C99.1 C100.1 C101.1 C102.1 C103.1 C104.1 C105.1 C106.1 C107.1 C108.1 C109.1 C110.1 C111.1 C112.1 C113.1 C114.1 C115.1 C116.1 C187.1 C188.1 C189.1 C190.1 J10.6 J10.48 J14.5 J14.47 JP5.2 PWR_2V1.1 U3.A17 U3.B14 U3.C21 U3.D18 U3.E15 U3.F22 U4.44
+3.3V: A0_1.1 A0_2.1 A0_3.1 A0_4.1 A1_1.1 A1_2.1 A1_3.1 A1_4.1 C15.1 C66.1 C123.1 C124.1 C125.1 C126.1 C127.1 C128.1 C129.1 C130.1 C131.1 C132.1 C133.1 C134.1 C139.1 C140.1 C141.1 C142.1 C143.1 C144.1 C145.1 C146.1 C147.1 C148.1 C149.1 C150.1 C151.1 C183.1 C184.1 C185.1 C186.1 C199.1 C204.1 C213.1 C220.1 C221.1 C222.1 C223.1 C224.1 C225.1 C226.1 C227.1 C228.1 C231.1 C233.1 C234.1 EEPROM_1.6 FLASH_512.2 INA_1.5 INA_1V8.5 INA_2V5.5 INA_3V3.5 J10.1 J10.3 J10.4 J10.37 J10.50 J13.1 J14.2 J14.3 J14.4 J14.38 J14.49 JP2.2 JP8.2 MODE_1.2 MODE_1.4 MODE_1.6 PWR_3V1.1 R26.1 R27.1 R28.1 R42.1 R47.2 R48.1 R49.1 R50.1 R52.1 R53.1 RX_1.2 SCL_UP_1.2 SD_Card_1.4 SDA_UP_1.2 TP19.1 TX_1.2 U1.44 U3.C1 U3.F2 U3.F12 U3.G19 U3.H6 U3.H16 U3.J3 U3.J13 U3.K20 U3.L17 U3.M4 U3.M14 U3.N1 U3.N21 U3.P18 U3.R15 U3.T12 U3.T22 U3.U8 U3.U19 U3.Y20 U12.4 U12.9 U12.20 U12.31 U12.42 U12.50 U12.56 Y1.1 Y1.6
+5V: C48.1 C49.1 C50.1 C51.1 C121.1 C122.1 C135.1 C136.1 C137.1 C138.1 C195.1 C196.1 C197.1 C198.1 C209.1 C210.1 C211.1 C212.1 FB1.2 FB3.2 FB5.2 FB6.2 J10.2 J10.52 J14.1 J14.51 PWR_SW1.1 PWR_SW1.4 R2.2 R4.2 R11.2 R15.2 R18.2 R22.2 R25.2 R33.2 R35.2 R41.2 TP5.1
AGND: C86.2 C87.2 FB4.1 U3.K9 U3.L9 U3.M10
AGND_1: NT1.2 R3.1 R5.1 U1.1 U1.2 U1.7 U1.34 U1.45
AGND_2: NT5.2 R24.1 R29.1 U6.1 U6.2 U6.7 U6.34 U6.45
AGND_3: NT3.2 R16.1 R17.1 U4.1 U4.2 U4.7 U4.34 U4.45
AGND_4: NT6.2 R36.1 R37.1 U9.1 U9.2 U9.7 U9.34 U9.45
GND: A0_1.4 A0_2.4 A0_3.4 A0_4.4 A1_1.4 A1_2.4 A1_3.4 A1_4.4 C1.2 C2.2 C3.2 C4.2 C5.2 C6.2 C7.2 C8.2 C9.2 C10.2 C11.2 C12.2 C13.2 C14.2 C15.2 C16.2 C17.2 C18.2 C19.2 C20.2 C21.2 C22.2 C23.2 C24.2 C25.2 C26.2 C27.2 C28.2 C29.2 C30.2 C31.2 C32.2 C33.2 C48.2 C49.2 C50.2 C51.2 C52.2 C53.2 C54.2 C55.2 C56.2 C57.2 C58.2 C59.2 C60.2 C61.2 C62.2 C63.2 C64.2 C65.2 C66.2 C67.2 C68.2 C69.2 C84.2 C85.2 C88.2 C89.2 C90.2 C91.2 C92.2 C93.2 C94.2 C95.2 C96.2 C97.2 C98.2 C99.2 C100.2 C101.2 C102.2 C103.2 C104.2 C105.2 C106.2 C107.2 C108.2 C109.2 C110.2 C111.2 C112.2 C113.2 C114.2 C115.2 C116.2 C117.2 C118.2 C119.2 C120.2 C121.2 C122.2 C123.2 C124.2 C125.2 C126.2 C127.2 C128.2 C129.2 C130.2 C131.2 C132.2 C133.2 C134.2 C135.2 C136.2 C137.2 C138.2 C139.2 C140.2 C141.2 C142.2 C143.2 C144.2 C145.2 C146.2 C147.2 C148.2 C149.2 C150.2 C151.2 C152.2 C153.2 C154.2 C155.2 C156.2 C157.2 C158.2 C159.2 C160.2 C161.2 C162.2 C163.2 C164.2 C165.2 C166.2 C167.2 C168.2 C169.2 C170.2 C171.2 C172.2 C173.2 C174.2 C175.2 C176.2 C177.2 C178.2 C179.2 C180.2 C181.2 C182.2 C183.2 C184.2 C185.2 C186.2 C187.2 C188.2 C189.2 C190.2 C191.2 C192.2 C193.2 C194.2 C195.2 C196.2 C197.2 C198.2 C199.2 C200.2 C201.2 C202.2 C203.2 C204.2 C205.2 C206.2 C207.2 C208.2 C209.2 C210.2 C211.2 C212.2 C213.2 C214.2 C215.2 C216.2 C217.2 C218.2 C219.2 C220.2 C221.2 C222.2 C223.2 C224.2 C225.2 C226.2 C227.2 C228.2 C229.2 C230.1 C231.2 C232.1 C233.2 C234.2 D3.1 EEPROM_1.2 FB4.2 FLASH_512.10 FPGA_DONE_1.1 H1.1 H2.1 H3.1 H4.1 INA_1.6 INA_1V8.6 INA_2V5.6 INA_3V3.6 J4.5 J4.6 J10.9 J10.11 J10.12 J10.38 J10.40 J10.42 J10.51 J13.2 J14.10 J14.11 J14.12 J14.37 J14.39 J14.41 J14.52 JP10.2 NT1.1 NT3.1 NT5.1 NT6.1 PWR_ENABLE1.1 Q1.2 Q2.2 Q3.2 Q4.2 R43.1 R44.1 R45.1 R46.1 SD_Card_1.6 SD_Card_1.9 SD_Card_1.10 SD_Card_1.11 SW2.2 TP8.1 TP28.1 U1.36 U1.37 U1.38 U3.A2 U3.A3 U3.A5 U3.A7 U3.A8 U3.A9 U3.A10 U3.A11 U3.A12 U3.A22 U3.AA2 U3.AA12 U3.AA22 U3.AB9 U3.AB19 U3.B3 U3.B5 U3.B7 U3.B8 U3.B9 U3.B10 U3.B11 U3.B12 U3.B19 U3.C3 U3.C4 U3.C6 U3.C8 U3.C9 U3.C10 U3.C11 U3.C12 U3.C16 U3.D3 U3.D4 U3.D6 U3.D8 U3.D9 U3.D10 U3.D11 U3.D12 U3.D13 U3.E4 U3.E5 U3.E7 U3.E8 U3.E9 U3.E11 U3.E20 U3.F5 U3.F7 U3.F8 U3.F9 U3.F11 U3.F17 U3.G5 U3.G6 U3.G7 U3.G8 U3.G9 U3.G10 U3.G12 U3.G14 U3.H1 U3.H7 U3.H9 U3.H11 U3.H21 U3.J8 U3.J10 U3.J12 U3.J18 U3.K5 U3.K7 U3.K11 U3.K15 U3.L2 U3.L8 U3.L22 U3.M7 U3.M11 U3.M19 U3.N6 U3.N8 U3.N16 U3.P3 U3.P7 U3.P9 U3.P11 U3.P13 U3.R8 U3.R10 U3.R12 U3.R20 U3.T7 U3.T9 U3.T11 U3.T17 U3.U4 U3.U14 U3.U22 U3.V1 U3.V11 U3.V21 U3.W8 U3.W18 U3.Y5 U3.Y15 U4.36 U4.37 U4.38 U6.36 U6.37 U6.38 U9.36 U9.37 U9.38 U12.1 U12.5 U12.10 U12.11 U12.13 U12.15 U12.25 U12.35 U12.47 U12.51 Y1.3
VCCINT: C1.1 C2.1 C3.1 C4.1 C5.1 C6.1 C7.1 C8.1 C9.1 C10.1 C11.1 C12.1 C13.1 C14.1 C16.1 C17.1 C18.1 C19.1 C20.1 C21.1 C22.1 C23.1 C24.1 C25.1 C26.1 C27.1 C28.1 C29.1 C52.1 C53.1 C54.1 C55.1 C56.1 C57.1 C58.1 C59.1 C60.1 C61.1 C62.1 C63.1 C64.1 C65.1 J10.10 J10.44 J14.9 J14.43 JP14.2 PWR_1.1 U3.H8 U3.H10 U3.J7 U3.J9 U3.J11 U3.K8 U3.L7 U3.L11 U3.M8 U3.N7 U3.N11 U3.P8 U3.P10 U3.R7 U3.R9 U3.T8 U3.T10 U9.44
ADC_IN_N: J10.25 J14.26 U3.M9
ADC_IN_P: J10.26 J14.25 U3.L10
FPAG_M0: MODE_1.1 R43.2 U3.U11
FPGA_DONE: FPGA_DONE_1.2 R42.2 U3.G11
FPGA_M1: MODE_1.3 R44.2 U3.U10
FPGA_M2: MODE_1.5 R45.2 U3.U9
IIC_SCL: A0_1.3 A0_2.3 A0_3.3 A0_4.3 A1_1.3 A1_2.3 A1_3.3 A1_4.3 INA_1.4 INA_1V8.4 INA_2V5.4 INA_3V3.4 J10.18 J14.17 SCL_UP_1.1 TP25.1 U3.L3
IIC_SDA: A0_1.2 A0_2.2 A0_3.2 A0_4.2 A1_1.2 A1_2.2 A1_3.2 A1_4.2 INA_1.3 INA_1V8.3 INA_2V5.3 INA_3V3.3 J10.20 J14.19 SDA_UP_1.1 TP22.1 U3.K2
JTAG_TCK: J10.21 J13.3 J14.22 TP46.1 U3.V12 U12.38
JTAG_TDI: J10.23 J13.5 J14.24 TP44.1 U3.R13 U12.39
JTAG_TDO: J10.22 J13.4 J14.21 TP45.1 U3.U13 U12.40
JTAG_TMS: J10.24 J13.6 J14.23 TP43.1 U3.T13 U12.41
PWR_GOOD_1V: JP6.2 Q4.1 R41.1 U9.33
PWR_GOOD_1V8: JP12.2 Q3.1 R33.1 U6.33
PWR_GOOD_2V5: Q2.1 R22.1 U4.33
PWR_GOOD_3V3: JP3.2 Q1.1 R11.1 U1.33
SD_CLK_SPI_3_SCK: J10.39 J14.40 SD_Card_1.5 TP21.1 U3.H3
SD_CMD_SPI_3_MOSI: J10.41 J14.42 SD_Card_1.3 TP24.1 U3.D1
SD_DAT0_SPI_3_MISO: J10.43 J14.44 SD_Card_1.7 TP27.1 U3.B1
SD_DAT1: J10.47 J14.48 SD_Card_1.8 TP18.1 U3.A1
SD_DAT2: J10.49 J14.50 SD_Card_1.1 TP20.1 U3.F1
SD_DAT3_SPI_3_CS: J10.45 J14.46 SD_Card_1.2 TP30.1 U3.E1
SPI_1_CS_FLASH: FLASH_512.7 J10.13 J14.14 R26.2 U3.T19
SPI_1_IO2: FLASH_512.9 J10.14 J14.13 R28.2 U3.P21
SPI_1_IO3: FLASH_512.1 J10.16 J14.15 R27.2 U3.R21
SPI_1_MISO_IO1: FLASH_512.8 J10.15 J14.16 U3.R22
SPI_1_MOSI_IO0: FLASH_512.15 J10.17 J14.18 U3.P22
SPI_1_SCK: FLASH_512.16 J10.19 J14.20 U3.L12
SPI_CS_N: CS_D_R1.1 J10.35 J14.36 U3.B22
SPI_CS_P: CS_D_R1.2 J10.33 J14.34 U3.C22
SPI_MISO_IO1_N: J10.36 J14.35 U3.A20
SPI_MISO_IO1_P: J10.34 J14.33 U3.B20
SPI_MOSI_IO0_N: J10.31 J14.32 MOSI_D_R1.1 U3.D22
SPI_MOSI_IO0_P: J10.29 J14.30 MOSI_D_R1.2 U3.E22
SPI_SCK_N: J10.32 J14.31 SCK_D_R1.1 U3.B18
SPI_SCK_P: J10.30 J14.29 SCK_D_R1.2 U3.B17
SYS_CLK_N: CLK_D_R1.1 TP2.1 U3.D19 Y1.5
SYS_CLK_P: CLK_D_R1.2 TP3.1 U3.E19 Y1.4
UART_1_RX: J10.7 J14.8 TP35.1 U3.AB21 U12.17
UART_1_TX: J10.5 J14.6 TP34.1 U3.AB22 U12.16
UART_2_RX: J10.27 J14.28 U3.J22
UART_2_TX: J10.28 J14.27 U3.K22
USB_1V8: C217.1 C218.1 C219.1 C229.1 U12.12 U12.37 U12.49 U12.64
USB_DATA_N: J4.2 R6.2 TP7.1 U12.7
USB_DATA_P: J4.3 R6.1 TP6.1 U12.8
Net-(C30-Pad1): C30.1 C31.1 C32.1 C33.1 F1.2 R9.1
Net-(C117-Pad1): C117.1 C118.1 C119.1 C120.1 F2.2 R21.1
Net-(C191-Pad1): C191.1 C192.1 C193.1 C194.1 F4.2 R32.1
Net-(C205-Pad1): C205.1 C206.1 C207.1 C208.1 F5.2 R40.1
Net-(D3-A): D3.2 R18.1
Net-(EEPROM_1-CLK): EEPROM_1.4 R50.2 U12.62
Net-(EEPROM_1-CS): EEPROM_1.5 R49.2 U12.63
Net-(EEPROM_1-DI): EEPROM_1.3 R54.2 U12.61
Net-(EEPROM_1-DO): EEPROM_1.1 R48.2 R54.1
Net-(F1-Pad1): F1.1 U1.21 U1.24 U1.25 U1.26 U1.27 U1.28 U1.29 U1.47
Net-(F2-Pad1): F2.1 U4.21 U4.24 U4.25 U4.26 U4.27 U4.28 U4.29 U4.47
Net-(F3-Pad1): F3.1 PWR_SW1.2 PWR_SW1.3 PWR_SW1.5 PWR_SW1.6
Net-(F4-Pad1): F4.1 U6.21 U6.24 U6.25 U6.26 U6.27 U6.28 U6.29 U6.47
Net-(F5-Pad1): F5.1 U9.21 U9.24 U9.25 U9.26 U9.27 U9.28 U9.29 U9.47
Net-(FLASH_512-VIO/RFU): C203.1 FLASH_512.14 JP8.1 JP10.1
Net-(INA_1-A0): A0_1.5 INA_1.2
Net-(INA_1-A1): A1_1.5 INA_1.1
Net-(INA_1-IN+): INA_1.8 R40.2
Net-(INA_1-IN-): INA_1.7 R40.3
Net-(INA_1V8-A0): A0_2.5 INA_1V8.2
Net-(INA_1V8-A1): A1_2.5 INA_1V8.1
Net-(INA_1V8-IN+): INA_1V8.8 R32.2
Net-(INA_1V8-IN-): INA_1V8.7 R32.3
Net-(INA_2V5-A0): A0_3.5 INA_2V5.2
Net-(INA_2V5-A1): A1_3.5 INA_2V5.1
Net-(INA_2V5-IN+): INA_2V5.8 R21.2
Net-(INA_2V5-IN-): INA_2V5.7 R21.3
Net-(INA_3V3-A0): A0_4.5 INA_3V3.2
Net-(INA_3V3-A1): A1_4.5 INA_3V3.1
Net-(INA_3V3-IN+): INA_3V3.8 R9.2
Net-(INA_3V3-IN-): INA_3V3.7 R9.3
Net-(J4-VBUS): F3.2 J4.1
Net-(JP1-A): JP1.1 R3.2 U1.43
Net-(JP1-B): JP1.2 R1.2
Net-(JP2-A): C67.1 C68.1 C69.1 JP2.1 R9.4
Net-(JP3-A): JP3.1 U4.8 U4.9
Net-(JP4-A): JP4.1 R16.2 U4.43
Net-(JP4-B): JP4.2 R14.2
Net-(JP5-A): C152.1 C153.1 C154.1 JP5.1 R21.4
Net-(JP6-A): JP6.1 U6.8 U6.9
Net-(JP7-A): JP7.1 R24.2 U6.43
Net-(JP7-B): JP7.2 R23.2
Net-(JP11-A): C200.1 C201.1 C202.1 JP11.1 R32.4
Net-(JP12-A): JP12.1 U1.8 U1.9
Net-(JP13-A): JP13.1 R36.2 U9.43
Net-(JP13-B): JP13.2 R34.2
Net-(JP14-A): C214.1 C215.1 C216.1 JP14.1 R40.4
Net-(PGOOD_1-A): PGOOD_1.2 R35.1
Net-(PGOOD_1-K): PGOOD_1.1 Q4.3
Net-(PGOOD_1V8-A): PGOOD_1V8.2 R25.1
Net-(PGOOD_1V8-K): PGOOD_1V8.1 Q3.3
Net-(PGOOD_2V5-A): PGOOD_2V5.2 R15.1
Net-(PGOOD_2V5-K): PGOOD_2V5.1 Q2.3
Net-(PGOOD_3V3-A): PGOOD_3V3.2 R4.1
Net-(PGOOD_3V3-K): PGOOD_3V3.1 Q1.3
Net-(PWR_ENABLE1-Pin_3): PWR_ENABLE1.3 R2.1
Net-(RX_1-K): R_RX1.1 RX_1.1
Net-(TX_1-K): R_TX1.1 TX_1.1
Net-(U1-PH-Pad10): U1.10 U1.11 U1.12 U1.13 U1.14 U1.17 U1.46
Net-(U1-RT/CLK): R5.2 U1.35
Net-(U1-VIN): FB1.1 U1.39 U1.40 U1.41 U1.42
Net-(U3F-INIT_B_0): R52.2 U3.U12
Net-(U3F-PROGRAM_B_0): R53.2 SW2.1 U3.N12
Net-(U4-PH-Pad10): U4.10 U4.11 U4.12 U4.13 U4.14 U4.17 U4.46
Net-(U4-RT/CLK): R17.2 U4.35
Net-(U4-VIN): FB3.1 U4.39 U4.40 U4.41 U4.42
Net-(U6-PH-Pad10): U6.10 U6.11 U6.12 U6.13 U6.14 U6.17 U6.46
Net-(U6-RT/CLK): R29.2 U6.35
Net-(U6-VIN): FB5.1 U6.39 U6.40 U6.41 U6.42
Net-(U9-PH-Pad10): U9.10 U9.11 U9.12 U9.13 U9.14 U9.17 U9.46
Net-(U9-RT/CLK): R37.2 U9.35
Net-(U9-VIN): FB6.1 U9.39 U9.40 U9.41 U9.42
Net-(U12-ACBUS3): R_TX1.2 U12.29
Net-(U12-ACBUS4): R_RX1.2 U12.30
Net-(U12-OSCI): 12MHz_Osc_1.2 C230.2 U12.2
Net-(U12-OSCO): 12MHz_Osc_1.1 C232.2 U12.3
Net-(U12-REF): R46.2 U12.6
Net-(U12-~{RESET}): R47.1 U12.14
